# Altium PCB 2m_DBoard_TX.PcbDoc (part 4 of 5)
Units mm, origin at the board's own origin, x right, y up, seen from the top; angles counter-clockwise.
Board outline 63.5 x 139.7 mm, 12 copper layers (Top RF, AGND, Inner RF, AGND 2, AVDD, AVDD 2, DVDD 2, DVDD, GND 2, Signal, GND, Bottom Layer), stack 2.626 mm thick; 263 components, 212 nets, 1246 pads, 1554 vias.
Unrouted connection lines stored in the file: 414.
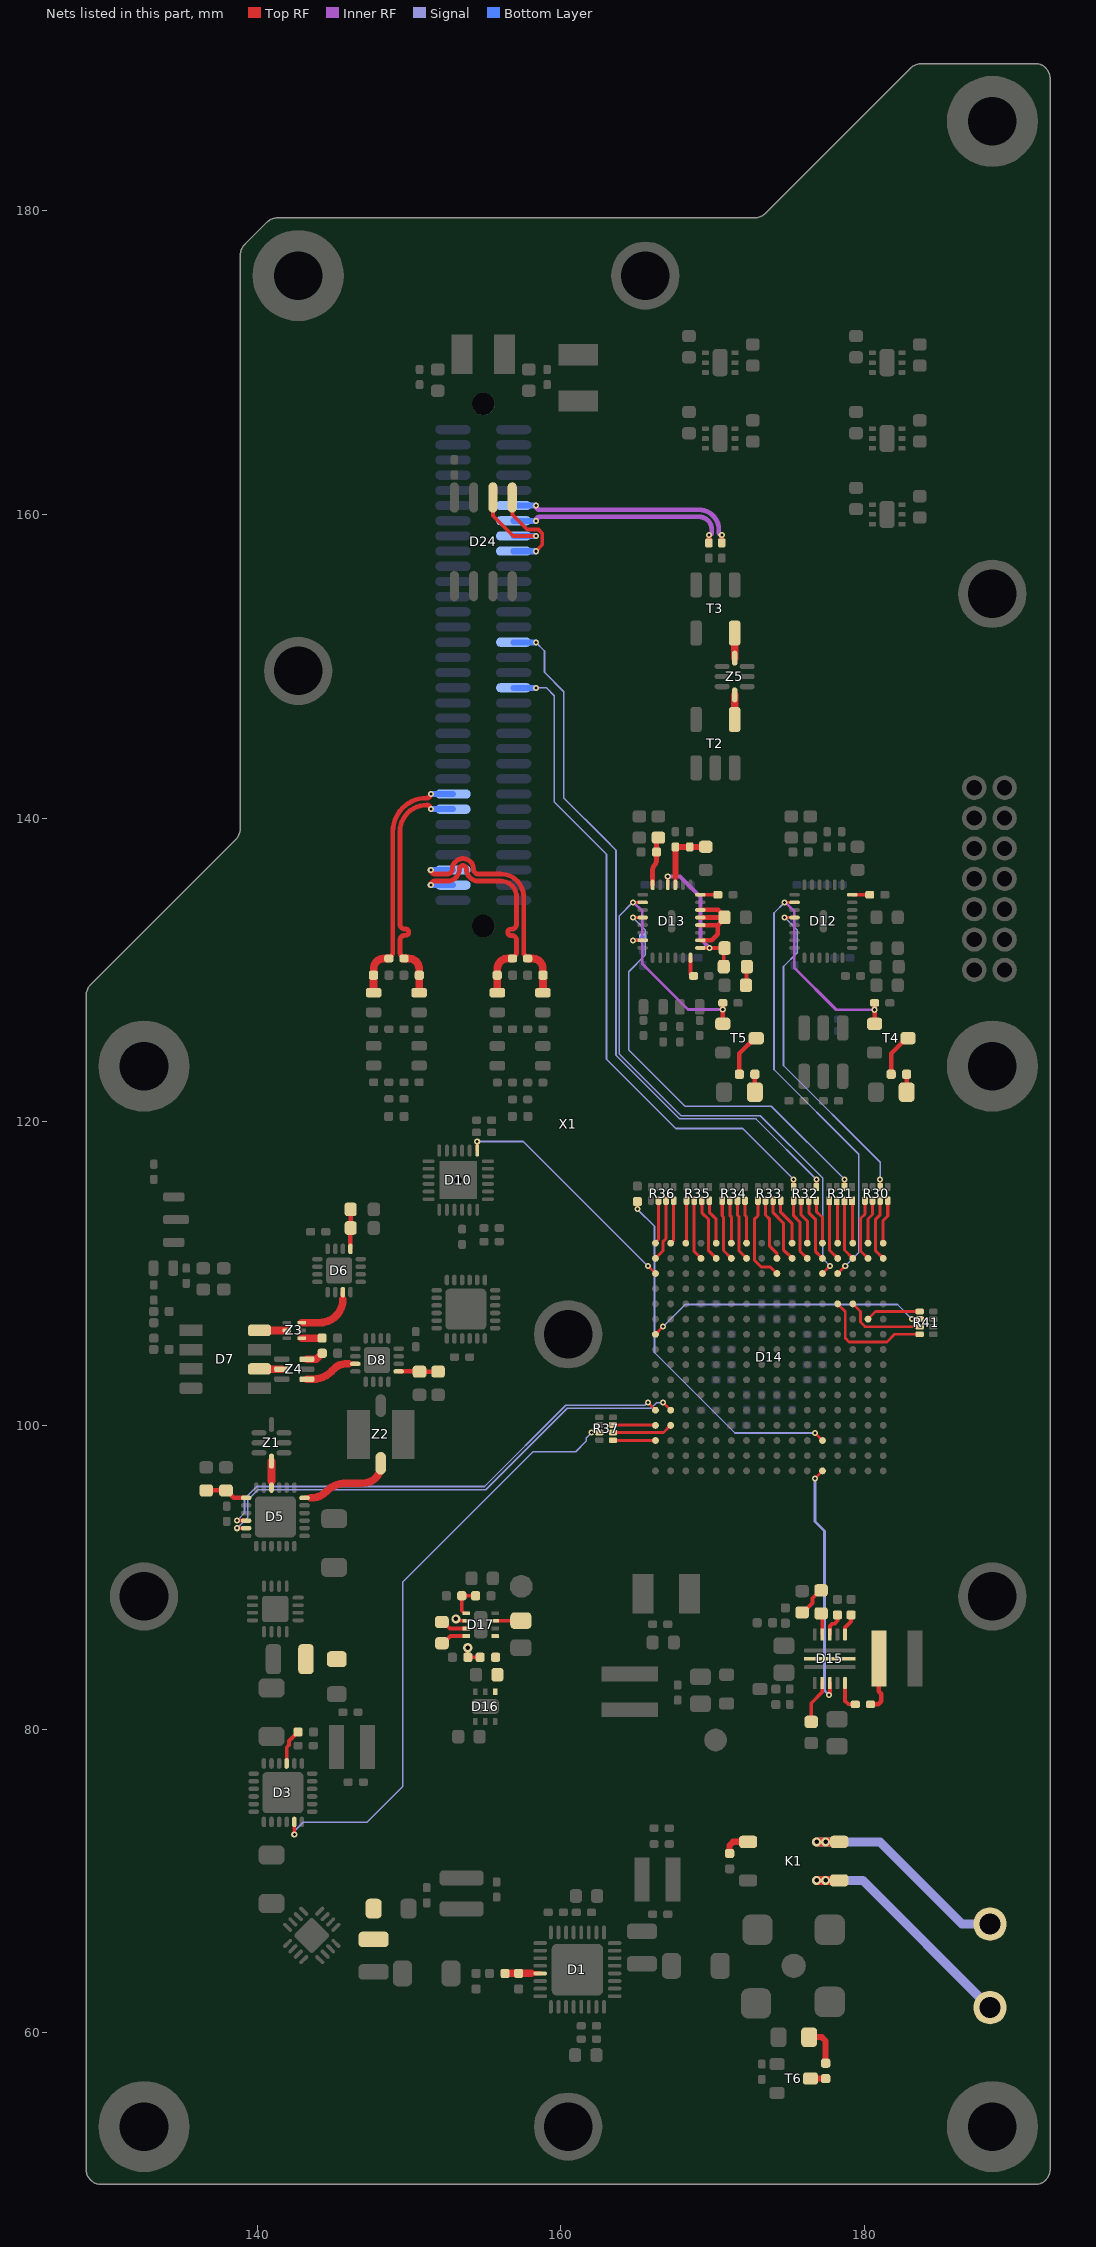
[diagram p14: the nets of this part, all layers, seen from the top]

## Via types
v1: diameter 0.6, hole 0.3, Top RF to Bottom Layer, tented both sides, 809 vias
v2: diameter 0.4, hole 0.2, Top RF to Bottom Layer, tented both sides, 741 vias
v3: diameter 0.5, hole 0.2, Top RF to Bottom Layer, tented both sides, 4 vias

## Nets (pads, with @x,y where several pads share a name; then routed paths per layer and width w, separated by ;. In a path a pad name is that pad's centre, name@x,y a point inside that pad or via, vN(x,y) a via of type N, cw(c..) or ccw(c..) an arc to the next point about the centre after c; other vN are vias at no path point) (continued)
NetC68_2: C68.2 D13.16 D13.18 D13.19 D13.20 | length 7.3
  Top RF w0.3: D13.16@169.2,131.95 169.936,131.95 170.336,132.35 170.336,132.95 ; D13.18@169.2,132.95 170.336,132.95 ; D13.19@169.2,133.45 C68.2@170.599,133.45 ; D13.20@169.2,133.95 170.361,133.95 170.786,133.524 C68.2@170.786,133.45 ; C68.2@170.599,133.412 C68.2@170.599,133.45 ; C68.2@170.599,133.512 C68.2@170.599,133.45 ; C68.2@170.799,133.462 C68.2@170.786,133.45 ; 170.336,132.95 170.786,133.4 C68.2@170.786,133.45 ; C68.2@170.599,133.45 C68.2@170.786,133.45
NetC69_1: C69.1 D13.28 R27.2 | length 3.1
  Top RF w0.315: D13.28@166.05,135.6 166.05,136.589 cw(c166.472,136.589) 166.174,136.887 ccw(c165.853,137.208) 166.307,137.208 166.307,137.762 C69.1@166.307,138.588
NetC70_2: C70.2 D13.15 D13.26 R28.1 | length 9.8
  Top RF w0.25: D13.26@167.05,135.6 v2(167.05,136.15) ; D13.15@169.2,131.45 v2(169.8,131.45) 170.836,131.45 170.737,131.35 R28.1@170.737,130.212
  Inner RF w0.25: v2(167.05,136.15) 167.85,136.15 169.199,134.801 169.199,132.051 v2(169.8,131.45)
NetC71_2: C71.2 R28.2 | length 1.3
  Top RF w0.25: C71.2@172.199,128.987 172.23,129.018 172.23,130.181 R28.2@172.261,130.212
NetC75_2: C75.2 D13.14 | length 1.3
  Top RF w0.25: D13.14@168.55,130.8 168.55,129.725 168.675,129.6 C75.2@168.7,129.6
NetC77_2: C77.2 C78.2 D13.25 R29.1 | length 4.6
  Top RF w0.25: D13.25@167.55,135.6 167.55,136.15
  Top RF w0.3: C77.2@167.55,138.05 C77.2@167.55,138.1 ; C78.2@168.5,138.1 168.506,138.106 C78.2@168.512,138.112
  Top RF w0.4: 167.55,136.15 167.55,138.05 C77.2@167.6,138.1 ; C77.2@167.55,138.1 C77.2@167.6,138.1 ; C78.2@168.5,138.1 C77.2@167.6,138.1 ; C78.2@168.506,138.106 169.544,138.106 R29.1@169.55,138.112
NetC81_2: C81.2 D13.7 | length 1.4
  Top RF w0.25: v2(164.75,131.95) D13.7@165.4,131.95
  Bottom Layer w0.25: v2(164.75,131.95) 165.275,131.95 165.4,132.075 C81.2@165.4,132.1
  Bottom Layer w0.4: C81.2@165.396,132.096 C81.2@165.4,132.1
NetC108_1: C108.1 D15.13 | length 1.9
  Top RF w0.25: D15.13@178.727,83.027 178.727,81.852 178.952,81.627 C108.1@179.402,81.627
NetC108_2: C108.2 D15.7 L19.2 | length 3.7
  Top RF w0.3: C108.2@180.402,81.627 180.916,81.627 181.115,81.826 181.115,82.314 180.955,82.474 180.955,84.639 L19.2@180.967,84.652
NetC110_1: C110.1 D15.10 | length 2.9
  Top RF w0.25: C110.1@176.502,80.477 176.502,81.702 177.227,82.427 D15.10@177.227,83.027
NetC127_1: C127.1 D16.1 D17.1 R48.2
NetC128_1: C128.1 D17.7 | length 1.8
  Top RF w0.25: C128.1@152.175,87.05 152.266,87.05 152.691,86.625 D17.7@153.775,86.625
NetC128_2: C128.2 D17.8 | length 1.8
  Top RF w0.25: C128.2@152.175,85.65 152.266,85.65 152.741,86.125 D17.8@153.775,86.125
NetC129_1: C129.1 D17.3 | length 1.7
  Top RF w0.25: D17.3@155.675,87.125 157.361,87.125 C129.1@157.375,87.139
NetC138_2: C138.2 D12.22 | length 1.1
  Top RF w0.25: D12.22@179.2,134.95 C138.2@180.35,134.95
NetC139_2: C139.2 D13.22 | length 1.2
  Top RF w0.25: D13.22@169.15,134.95 C139.2@170.3,134.95
NetC191_2: C191.2 R44.1 | length 2
  Top RF w0.25: C191.2@175.9,87.675 175.95,87.675 176.579,88.304 176.579,88.616 177.1,89.137 R44.1@177.15,89.137
NetD3_3: D3.3 R5.2 | length 2.4
  Top RF w0.25: D3.3@141.95,77.73 141.95,78.8 142.1,78.95 142.1,79.203 142.692,79.795 R5.2@142.692,79.8
NetD5_4: D5.4 Z1.OUT | length 1.7
  Top RF w0.3: D5.4@140.95,95.9 140.95,96.329
  Top RF w0.5: 140.95,96.329 Z1.OUT@140.95,97.645
NetD5_7: D5.7 R7.1 R8.2 | length 2.8
  Top RF w0.3: R7.1@136.65,95.713 R8.2@137.95,95.713 137.987,95.713 138.475,95.225 D5.7@139.275,95.225
NetD5_24: D5.24 Z2.OUT | length 6.1
  Top RF w0.3: D5.24@143.125,95.225 143.549,95.225 143.551,95.227
  Top RF w0.5: 143.551,95.227 ccw(c143.582,95.726) 143.597,95.226 ccw(c143.55,96.674) 144.573,95.648 cw(c145.903,94.321) 145.904,96.2 145.905,96.2 147,96.2 ccw(c147,97.35) 148.15,97.35 Z2.OUT@148.15,97.5
NetD6_7: D6.7 Z3.6 | length 4.1
  Top RF w0.3: 143.326,106.76 cw(c143.326,106.726) 143.35,106.75 ; 145.65,108.3 D6.7@145.65,108.775
  Top RF w0.5: Z3.6@142.935,106.76 143.326,106.76 ; 143.374,106.76 143.925,106.76 ; 143.947,106.76 ccw(c143.925,106.26) 143.927,106.76 ; 145.65,108.3 cw(c144.11,108.3) 144.11,106.76 143.927,106.76 ; 143.925,106.76 cw(c143.925,106.26) 143.927,106.76 ; 143.925,106.76 143.927,106.76
NetD6_13: D6.13 R9.1 R10.2 | length 2.6
  Top RF w0.3: D6.13@146.15,111.625 R10.2@146.15,112.987 ; R10.2@146.163,113 R9.1@146.163,114.225
NetD7_2: D7.2 Z4.2 | length 1.5
  Top RF w0.5: D7.2@140.156,103.715 ccw(c140.192,103.751) 140.192,103.7 Z4.2@141.625,103.7
NetD7_4: D7.4 Z3.2 | length 1.8
  Top RF w0.5: D7.4@140.156,106.255 140.161,106.25 Z3.2@141.965,106.25
NetD8_7: D8.7 Z4.4 | length 3.5
  Top RF w0.3: 146.05,104.05 D8.7@146.475,104.05
  Top RF w0.5: Z4.4@143.275,103.04 143.669,103.04 ccw(c143.669,104.781) 144.9,103.55 145.121,103.771 cw(c145.795,103.096) 145.795,104.05 146.05,104.05
NetD8_13: D8.13 R11.1 R12.2 | length 2.6
  Top RF w0.3: D8.13@149.325,103.55 150.687,103.55 R12.2@150.7,103.537 R11.1@151.925,103.537
NetD14_A3: D14.A3 R37.1 | length 2.8
  Top RF w0.2: R37.1@163.44,99.025 163.452,99.013 166.227,99.013 D14.A3@166.24,99
NetD14_A4: D14.A4 R37.3 | length 2.8
  Top RF w0.2: R37.3@163.44,100.025 163.453,100.013 166.227,100.013 D14.A4@166.24,100
NetD14_A10: D14.A10 R41.2 | length 18.6
  Top RF w0.185: D14.A10@166.24,106 v2(166.74,106.5) ; v2(183.14,107) R41.2@183.64,107
  Signal w0.11: v2(166.74,106.5) 168.196,107.956 182.184,107.956 v2(183.14,107)
NetD14_A15: D14.A15 R36.3 | length 4.1
  Top RF w0.2: D14.A15@166.24,111 166.725,111.485 166.725,112.086 166.94,112.301 R36.3@166.94,114.8
NetD14_A16: D14.A16 R36.2 | length 2.9
  Top RF w0.2: D14.A16@166.24,112 166.24,112.068 166.44,112.268 R36.2@166.44,114.8
NetD14_B4: D14.B4 R37.2 | length 4
  Top RF w0.2: R37.2@163.44,99.525 166.765,99.525 D14.B4@167.24,100
NetD14_B16: D14.B16 R36.4 | length 2.9
  Top RF w0.2: D14.B16@167.24,112 167.44,112.2 R36.4@167.44,114.8
NetD14_C16: D14.C16 R35.1 | length 2.8
  Top RF w0.2: D14.C16@168.24,112 168.288,112.048 168.288,112.225 168.29,112.227 R35.1@168.29,114.8
NetD14_D15: D14.D15 R35.2 | length 4
  Top RF w0.2: R35.2@168.79,114.8 168.79,111.45 D14.D15@169.24,111
NetD14_E15: D14.E15 R35.3 | length 4.2
  Top RF w0.2: R35.3@169.29,114.8 169.29,114.01 169.741,113.559 169.741,111.499 D14.E15@170.24,111
NetD14_E16: D14.E16 R35.4 | length 3
  Top RF w0.2: R35.4@169.79,114.8 169.79,114.035 170.24,113.585 D14.E16@170.24,112
NetD14_F15: D14.F15 R34.1 | length 4
  Top RF w0.2: R34.1@170.64,114.8 170.64,113.81 170.725,113.725 170.725,111.515 D14.F15@171.24,111
NetD14_F16: D14.F16 R34.2 | length 2.8
  Top RF w0.2: R34.2@171.14,114.8 171.14,113.835 171.24,113.735 D14.F16@171.24,112
NetD14_G15: D14.G15 R34.3 | length 4
  Top RF w0.2: R34.3@171.64,114.8 171.64,113.835 171.75,113.725 171.75,111.49 D14.G15@172.24,111
NetD14_G16: D14.G16 R34.4 | length 2.9
  Top RF w0.2: R34.4@172.14,114.8 172.125,114.785 172.125,113.85 172.24,113.735 D14.G16@172.24,112
NetD14_J14: D14.J14 R33.1 | length 5.9
  Top RF w0.2: R33.1@172.99,114.8 172.99,113.815 172.75,113.575 172.75,110.889 173.203,110.436 173.804,110.436 D14.J14@174.24,110
NetD14_J15: D14.J15 R33.2 | length 4.1
  Top RF w0.2: R33.2@173.49,114.8 173.49,113.86 173.74,113.61 173.74,111.835 174.236,111.339 174.236,111.004 D14.J15@174.24,111
NetD14_K15: D14.K15 R33.3 | length 4.3
  Top RF w0.2: R33.3@173.99,114.8 173.99,114.01 174.665,113.335 174.665,111.575 D14.K15@175.24,111
NetD14_K16: D14.K16 R33.4 | length 3.1
  Top RF w0.2: R33.4@174.49,114.8 174.49,114.035 175.24,113.285 D14.K16@175.24,112
NetD14_L15: D14.L15 R32.1 | length 4.2
  Top RF w0.2: R32.1@175.34,114.8 175.34,113.81 175.766,113.384 175.766,111.474 D14.L15@176.24,111
NetD14_L16: D14.L16 R32.2 | length 3
  Top RF w0.2: R32.2@175.84,114.8 175.84,113.859 176.24,113.46 D14.L16@176.24,112
NetD14_M3: D14.M3 R40.1 | length 23.9
  Top RF w0.185: v2(165.05,114.242) R40.1@165.05,114.742 ; v2(176.74,99.5) D14.M3@177.24,99
  Signal w0.11: v2(165.05,114.242) 166.175,113.117 166.175,104.8 171.475,99.5 v2(176.74,99.5)
NetD14_M15: D14.M15 R32.3 | length 4.2
  Top RF w0.2: R32.3@176.34,114.8 176.34,114.01 176.766,113.584 176.766,111.474 D14.M15@177.24,111
NetD14_M16: D14.M16 R32.4 | length 3
  Top RF w0.2: R32.4@176.84,114.8 176.84,114.085 177.24,113.685 D14.M16@177.24,112
NetD14_N12: D14.N12 R41.4 | length 7.7
  Top RF w0.185: D14.N12@178.24,108 178.74,107.5 178.74,105.75 178.99,105.5 181.496,105.5 181.996,106 R41.4@183.64,106
NetD14_N15: D14.N15 R31.1 | length 4
  Top RF w0.2: R31.1@177.69,114.8 177.69,111.55 D14.N15@178.24,111
NetD14_N16: D14.N16 R31.2 | length 2.8
  Top RF w0.2: R31.2@178.19,114.8 178.215,114.775 178.215,112.025 D14.N16@178.24,112
NetD14_P12: D14.P12 R41.3 | length 5.4
  Top RF w0.185: D14.P12@179.24,108 179.74,107.5 179.74,106.8 180.04,106.5 R41.3@183.64,106.5
NetD14_P15: D14.P15 R31.3 | length 4
  Top RF w0.2: R31.3@178.69,114.8 178.69,111.55 D14.P15@179.24,111
NetD14_P16: D14.P16 R31.4 | length 2.8
  Top RF w0.2: R31.4@179.19,114.8 179.215,114.775 179.215,112.025 D14.P16@179.24,112
NetD14_R11: D14.R11 R41.1 | length 3.6
  Top RF w0.185: D14.R11@180.24,107 180.74,107.5 R41.1@183.64,107.5
NetD14_R15: D14.R15 R30.1 | length 4.1
  Top RF w0.2: R30.1@180.04,114.8 180.04,113.915 179.75,113.625 179.75,111.49 D14.R15@180.24,111
NetD14_R16: D14.R16 R30.2 | length 2.9
  Top RF w0.2: D14.R16@180.24,112 180.24,113.59 180.54,113.89 R30.2@180.54,114.8
NetD14_T15: D14.T15 R30.3 | length 4.1
  Top RF w0.2: R30.3@181.04,114.8 181.04,113.865 180.725,113.55 180.725,111.515 D14.T15@181.24,111
NetD14_T16: D14.T16 R30.4 | length 2.9
  Top RF w0.2: D14.T16@181.24,112 181.24,113.49 181.54,113.79 R30.4@181.54,114.8
NetD15_1: D15.1 R42.2 | length 1.5
  Top RF w0.25: D15.1@178.727,86.227 178.727,86.677 179.127,87.077 R42.2@179.125,87.517
NetD15_3: D15.3 R43.2 | length 1.6
  Top RF w0.25: D15.3@177.727,86.227 177.727,86.781 177.873,86.927 178.027,86.927 178.227,87.127 R43.2@178.227,87.519
NetD15_4: D15.4 R44.2 | length 1.4
  Top RF w0.25: R44.2@177.152,87.615 177.227,87.54 D15.4@177.227,86.227
NetD17_5: D17.5 R50.1 R51.1 | length 2.3
  Top RF w0.25: D17.5@153.775,87.625 153.65,87.625 153.483,87.792 R51.1@153.483,88.775 R50.1@154.392,88.775
NetD17_6: D17.6 R48.1 R49.2 | length 2.2
  Top RF w0.25: v1(153.1,87.25) 153.195,87.25 153.32,87.125 D17.6@153.775,87.125 ; v1(153.875,85.35) 153.879,85.346 153.879,84.729 R49.2@153.883,84.725 R48.1@154.692,84.725
NetH1_1: H1.1 R52.2 | length 1.2
  Top RF w0.3: H1.1@182.779,121.954 R52.2@182.779,123.121
NetH2_1: H2.1 R53.2 | length 1.2
  Top RF w0.3: H2.1@172.779,121.954 R53.2@172.779,123.121
NetH3_1: H3.1 R54.2 | length 2.7
  Top RF w0.4: H3.1@176.35,59.7 177.2,59.7 177.45,59.45 R54.2@177.45,57.988
NetK1_1: K1.1 R55.1 | length 1.8
  Top RF w0.4: R55.1@171.125,71.808 171.125,72.341 171.359,72.575 K1.1@172.31,72.575
NetK1_3: K1.3 X2.1 | length 16.4
  Top RF w0.6: v1(176.85,70.03) v1(177.45,70.03) K1.3@178.34,70.03
  Signal w0.6: v1(176.85,70.03) v1(177.45,70.03) 179.895,70.03 X2.1@188.275,61.65
NetK1_4: K1.4 X2.2 | length 15.1
  Top RF w0.6: v1(176.85,72.57) v1(177.45,72.57) K1.4@178.34,72.57
  Signal w0.6: v1(176.85,72.57) v1(177.45,72.57) ; v1@177.472,72.57 181.02,72.57 186.44,67.15 X2.2@188.275,67.15
NetL3_2: L3.2 R4.1
NetL5_2: L5.2 R6.1 | length 0
NetR13_2: R13.2 Z3.4 | length 1.3
  Top RF w0.5: Z3.4@142.94,105.745 144.279,105.745 R13.2@144.284,105.75
NetR14_2: R14.2 Z4.6 | length 1.2
  Top RF w0.5: Z4.6@143.275,104.36 143.902,104.36 144.237,104.695 144.242,104.695 144.292,104.745 R14.2@144.292,104.75
NetR52_1: R52.1 T4.3 | length 2.8
  Top RF w0.3: R52.1@181.767,123.125 181.767,124.492 T4.3@182.775,125.5
NetR53_1: R53.1 T5.3 | length 2.8
  Top RF w0.3: R53.1@171.767,123.125 171.767,124.492 T5.3@172.775,125.5
NetR54_1: R54.1 T6.3 | length 1
  Top RF w0.4: T6.3@176.45,56.975 T6.3@176.45,56.975 177.449,56.973 R54.1@177.45,56.972
NetT2_6: T2.6 Z5.OUT | length 1.6
  Top RF w0.5: T2.6@171.454,146.49 Z5.OUT@171.454,148.12
NetT3_4: T3.4 Z5.IN | length 1.7
  Top RF w0.5: Z5.IN@171.459,150.53 T3.4@171.459,152.185
pa_path_ctrl2v_rx: D5.10 D14.A5 | length 32.2
  Top RF w0.185: v2(165.74,101.5) D14.A5@166.24,101
  Top RF w0.25: v2(138.675,93.725) D5.10@139.275,93.725
  Signal w0.11: v2(138.675,93.725) 138.677,93.725 139.176,94.224 139.176,95.176 139.975,95.975 154.978,95.975 160.338,101.335 165.531,101.335 165.696,101.5 v2(165.74,101.5)
pa_path_ctrl3v_rx: D5.11 D14.B5 | length 33.5
  Top RF w0.185: v2(166.74,101.5) D14.B5@167.24,101
  Top RF w0.25: v2(138.675,93.225) D5.11@139.275,93.225
  Signal w0.11: v2(138.675,93.225) 138.677,93.225 139.386,93.934 139.386,95.089 140.062,95.765 155.065,95.765 160.425,101.125 165.93,101.125 166.305,101.5 v2(166.74,101.5)
QMOD_DSOP: D10.1 D14.A14 | length 15.9
  Top RF w0.185: v2(165.74,110.5) D14.A14@166.24,110
  Top RF w0.25: D10.1@154.5,118.1 v2(154.5,118.7)
  Signal w0.11: v2(154.5,118.7) 157.54,118.7 v2(165.74,110.5)
REF_FREQ_TX_N: C43.2 X1.14 | length 14.7
  Top RF w0.315: C43.2@169.759,158.125 v2(169.758,158.637)
  Inner RF w0.315: v2(158.362,159.575) cw(c158.629,159.575) 158.629,159.842 169.108,159.842 cw(c169.108,159) 169.95,159 169.95,158.83 cw(c169.758,158.83) v2(169.758,158.637)
  Bottom Layer w0.4: X1.14@156.902,159.584 156.911,159.575 v2(158.362,159.575)
REF_FREQ_TX_P: C44.2 X1.12 | length 15.4
  Top RF w0.315: C44.2@170.608,158.125 v2(170.608,158.637)
  Inner RF w0.315: v2(158.362,160.575) ccw(c158.629,160.575) 158.629,160.308 169.108,160.308 cw(c169.108,159) 170.415,159 170.415,158.83 ccw(c170.608,158.83) v2(170.608,158.637)
  Bottom Layer w0.4: X1.12@156.902,160.584 156.911,160.575 v2(158.362,160.575)
RF_PREAMP_TX: D1.5 R1.1 R2.1 | length 2.3
  Top RF w0.3: 158.05,63.9 D1.5@158.65,63.9
  Top RF w0.5: R2.1@156.333,63.9 R1.1@157.225,63.9 158.05,63.9
SCL_TX: D24.6 X1.16 | length 6.1
  Top RF w0.25: D24.6@155.535,161.121 155.535,159.915 156.875,158.575 v2(158.362,158.575)
  Bottom Layer w0.4: X1.16@156.9,158.575 v2(158.362,158.575)
SCLK_ATT: D3.17 R37.7 | length 40
  Top RF w0.185: v2(162.04,99.525) R37.7@162.54,99.525
  Top RF w0.25: v2(142.45,73.05) D3.17@142.45,73.88
  Signal w0.11: v2(142.45,73.05) 142.505,73.105 142.505,73.338 143.033,73.865 147.243,73.865 149.59,76.212 149.59,89.687 158.168,98.265 160.983,98.265 161.685,98.967 161.685,99.172 162.038,99.525 v2(162.04,99.525)
SCLK_LO1: D12.4 R30.6 | length 21.8
  Top RF w0.185: v2(174.75,133.45) D12.4@175.4,133.45 ; R30.6@181.04,115.7 v2(181.04,116.2)
  Signal w0.11: v2(174.75,133.45) 174.752,133.45 175.575,132.627 175.575,131.129 174.675,130.229 174.675,123.703 181.04,117.338 v2(181.04,116.2)
SCLK_LO2: D13.4 R31.6 | length 28.4
  Top RF w0.185: v2(164.75,133.45) D13.4@165.4,133.45 ; R31.6@178.69,115.7 v2(178.69,116.2)
  Signal w0.11: v2(164.75,133.45) 164.752,133.45 165.575,132.627 165.575,130.981 164.48,129.886 164.48,124.725 165.055,124.149 168.18,121.025 173.867,121.025 178.69,116.202 v2(178.69,116.2)
SCLK_TX: R32.5 X1.30 | length 47.9
  Top RF w0.185: R32.5@176.84,115.7 v2(176.84,116.2)
  Signal w0.11: v2(158.362,151.575) 158.927,151.01 158.927,149.604 160.205,148.326 160.205,141.319 162.925,138.599 163.64,137.884 163.64,124.377 167.832,120.185 172.857,120.185 176.84,116.202 v2(176.84,116.2)
  Bottom Layer w0.4: X1.30@156.9,151.575 v2(158.362,151.575)
SDA_TX: D24.5 X1.18 | length 6.4
  Top RF w0.25: D24.5@156.805,161.121 156.819,161.107 156.819,159.981 157.8,159 158.538,159 158.787,158.751 158.787,158 v2(158.362,157.575)
  Bottom Layer w0.4: X1.18@156.9,157.575 v2(158.362,157.575)
SEN_TX: R32.8 X1.36 | length 44.4
  Top RF w0.185: R32.8@175.34,115.7 v2(175.34,116.2)
  Signal w0.11: v2(158.362,148.575) 159.065,148.575 159.575,148.065 159.575,141.058 163.01,137.623 163.01,124.116 167.571,119.555 171.985,119.555 v2(175.34,116.2)
  Bottom Layer w0.4: X1.36@156.9,148.575 v2(158.362,148.575)
STAT_LO1: C135.1 D12.2 D14.N14 T4.1 | length 40.7
  Top RF w0.185: v2(174.75,134.45) D12.2@175.4,134.45 ; D14.N14@178.24,110 v2(178.74,110.5)
  Top RF w0.3: T4.1@180.675,126.45 v2(180.675,127.375) C135.1@180.675,127.825
  Inner RF w0.185: v2(174.75,134.45) 174.805,134.45 175.377,133.878 175.377,130.148 178.15,127.375 v2(180.675,127.375)
  Signal w0.11: v2(174.75,134.45) 174.748,134.45 174.045,133.747 174.045,123.442 179.625,117.862 179.625,111.385 v2(178.74,110.5)
STAT_LO2: C136.1 D13.2 D14.M14 T5.1 | length 46.8
  Top RF w0.185: v2(164.75,134.45) D13.2@165.4,134.45 ; D14.M14@177.24,110 v2(177.74,110.5)
  Top RF w0.3: T5.1@170.675,126.45 C136.1@170.675,127.825
  Inner RF w0.185: v2(164.75,134.45) 164.805,134.45 165.375,133.88 165.375,130.4 168.383,127.392 v2(170.673,127.392)
  Signal w0.11: v2(164.75,134.45) 164.748,134.45 163.85,133.552 163.85,124.464 164.794,123.519 167.919,120.395 173.147,120.395 177.25,116.292 177.25,110.99 v2(177.74,110.5)
TPS_EN: D14.M1 D15.11 | length 16.2
  Top RF w0.185: v2(176.74,96.5) D14.M1@177.24,97
  Top RF w0.25: v2(177.677,82.227) 177.677,82.268 177.727,82.318 D15.11@177.727,83.027
  Signal w0.185: v2(176.74,96.5) 176.74,93.67 177.375,93.035 177.375,82.529 v2(177.677,82.227)
TX_IOUTA_N: C40.2 L14.1 R20.2 X1.61 | length 16.8
  Top RF w0.315: v2(151.44,135.584) cw(c151.707,135.584) 151.707,135.851 152.154,135.851 152.544,135.851 ccw(c152.544,136.631) 153.324,136.631 153.324,136.636 cw(c153.557,136.636) 153.789,136.636 153.789,136.631 ccw(c154.569,136.631) 154.569,135.851 155.583,135.851 156.048,135.851 cw(c156.048,134.807) 157.092,134.808 157.093,133.571 157.092,132.998 cw(c156.777,132.998) 156.777,132.683 156.711,132.683 ccw(c156.711,132.476) 156.711,132.268 156.777,132.268 cw(c156.777,131.953) 157.092,131.953 157.092,131.39 157.092,131.225 cw(c156.471,131.225) C40.2@156.91,130.785
  Top RF w0.5: L14.1@155.825,128.5 155.825,129.65 155.825,130.075 cw(c156.5,130.075) 156.5,130.75 C40.2@156.825,130.75
  Bottom Layer w0.4: v2(151.44,135.584) X1.61@152.902,135.584
TX_IOUTA_P: C40.1 L13.1 R19.1 X1.59 | length 16.8
  Top RF w0.315: v2(151.44,136.584) ccw(c151.707,136.584) 151.707,136.316 152.154,136.316 152.544,136.316 ccw(c152.544,136.631) 152.859,136.631 152.859,136.636 cw(c153.557,136.636) 154.254,136.636 154.254,136.631 ccw(c154.569,136.631) 154.569,136.316 155.583,136.316 156.048,136.316 cw(c156.048,134.807) 157.558,134.807 157.558,132.584 157.557,131.225 ccw(c158.179,131.225) C40.1@157.74,130.785
  Top RF w0.5: C40.1@157.825,130.75 158.15,130.75 cw(c158.15,130.075) 158.825,130.075 R19.1@158.825,129.65 ; L13.1@158.833,128.5 R19.1@158.833,129.65
  Bottom Layer w0.4: v2(151.44,136.584) X1.59@152.902,136.584
TX_IOUTB_N: C34.2 L10.1 R17.2 X1.51 | length 16.8
  Top RF w0.315: C34.2@149.675,130.75 cw(c149.675,130.871) 149.59,130.785 cw(c150.029,131.225) 149.407,131.225 149.407,131.392 149.407,131.964 cw(c149.722,131.964) 149.722,132.279 149.789,132.279 ccw(c149.789,132.487) 149.789,132.694 149.722,132.694 cw(c149.722,133.009) 149.407,133.009 149.407,133.504 149.407,139.093 cw(c151.174,139.093) 151.174,140.86 cw(c151.174,140.593) v2(151.442,140.593)
  Top RF w0.5: C34.2@149.675,130.75 150,130.75 cw(c150,130.075) 150.675,130.075 R17.2@150.675,129.65 ; L10.1@150.683,128.5 R17.2@150.683,129.65
  Bottom Layer w0.4: v2(151.442,140.593) X1.51@152.904,140.593
TX_IOUTB_P: C34.1 L9.1 R16.1 X1.49 | length 16.8
  Top RF w0.315: C34.1@148.675,130.75 ccw(c148.675,130.871) 148.76,130.785 ccw(c148.321,131.225) 148.942,131.225 148.942,139.093 cw(c151.174,139.093) 151.174,141.325 ccw(c151.174,141.593) v2(151.442,141.593)
  Top RF w0.5: L9.1@147.667,128.5 R16.1@147.667,129.65 ; R16.1@147.675,129.65 147.675,130.075 cw(c148.35,130.075) 148.35,130.75 C34.1@148.675,130.75
  Bottom Layer w0.4: v2(151.442,141.593) X1.49@152.904,141.593
pads on no net: D1.2 D1.13 D5.20 D9.20 D10.6 D10.7 D10.13 D10.15 D14.A1 D14.A2 D14.A8 D14.A9 D14.A11 D14.A12 D14.A13 D14.B1 D14.B2 D14.B3 D14.B8 D14.B9 D14.B10 D14.B11 D14.B12 D14.B13 D14.B14 D14.B15 D14.C1 D14.C2 D14.C3 D14.C4 D14.C5 D14.C6 D14.C7 D14.C8 D14.C9 D14.C10 D14.C11 D14.C12 D14.C13 D14.C14 D14.C15 D14.D1 D14.D2 D14.D3 D14.D4 D14.D6 D14.D7 D14.D8 D14.D9 D14.D10 D14.D11 D14.D13 D14.D14 D14.D16 D14.E1 D14.E2 D14.E3 D14.E4 D14.E5 D14.E6 D14.E7 D14.E8 D14.E9 D14.E10 D14.E11 D14.E12 D14.E13 D14.E14 D14.F1 D14.F2 D14.F3 D14.F5 D14.F12 D14.F13 D14.F14 D14.G1 D14.G2 D14.G3 D14.G4 D14.G5 D14.G11 D14.G12 D14.G13 D14.G14 D14.H1 D14.H2 D14.H3 D14.H4 D14.H5 D14.H12 D14.H13 D14.H14 D14.H15 D14.H16 D14.J1 D14.J2 D14.J3 D14.J4 D14.J5 D14.J12 D14.J13 D14.J16 D14.K2 D14.K3 D14.K4 D14.K5 D14.K12 D14.K14 D14.L2 D14.L3 D14.L4 D14.L5 D14.L12 D14.L13 D14.L14 D14.M2 D14.M4 D14.M5 D14.M6 D14.M7 D14.M8 D14.M9 D14.M10 D14.M11 D14.M12 D14.M13 D14.N1 D14.N2 D14.N3 D14.N4 D14.N5 D14.N6 D14.N7 D14.N8 D14.N9 D14.N10 D14.N11 D14.N13 D14.P1 D14.P2 D14.P4 D14.P5 D14.P6 D14.P7 D14.P8 D14.P9 D14.P10 D14.P11 D14.P13 D14.R1 D14.R2 D14.R3 D14.R4 D14.R5 D14.R6 D14.R7 D14.R8 D14.R9 D14.R10 D14.R12 D14.R13 D14.R14 D14.T1 D14.T2 D14.T3 D14.T4 D14.T5 D14.T6 D14.T7 D14.T8 D14.T9 D14.T10 D14.T11 D14.T12 D14.T13 D14.T14 D24.7 R36.1 R36.8 R37.4 R37.5 T1.1 X1.24 X1.26 X1.28 X1.39 X1.40 X1.43 X1.44 X1.45 X1.46 X1.50 X1.52 X1.54 X1.55 X1.56 X1.58 X1.60 X1.62 X3.12 X3.14 Z1.0 Z5.0